# Altium PCB DAB_PCB.PcbDoc (part 1 of 3)
Units mil, origin at the board's own origin, x right, y up, seen from the top; angles counter-clockwise.
Board outline 6665.03 x 2844.03 mil, 4 copper layers (Top Layer, GND1, POWER1, Bottom Layer), stack 30.634 mil thick; 251 components, 123 nets, 1376 pads, 1039 vias.
Unrouted connection lines stored in the file: 2.
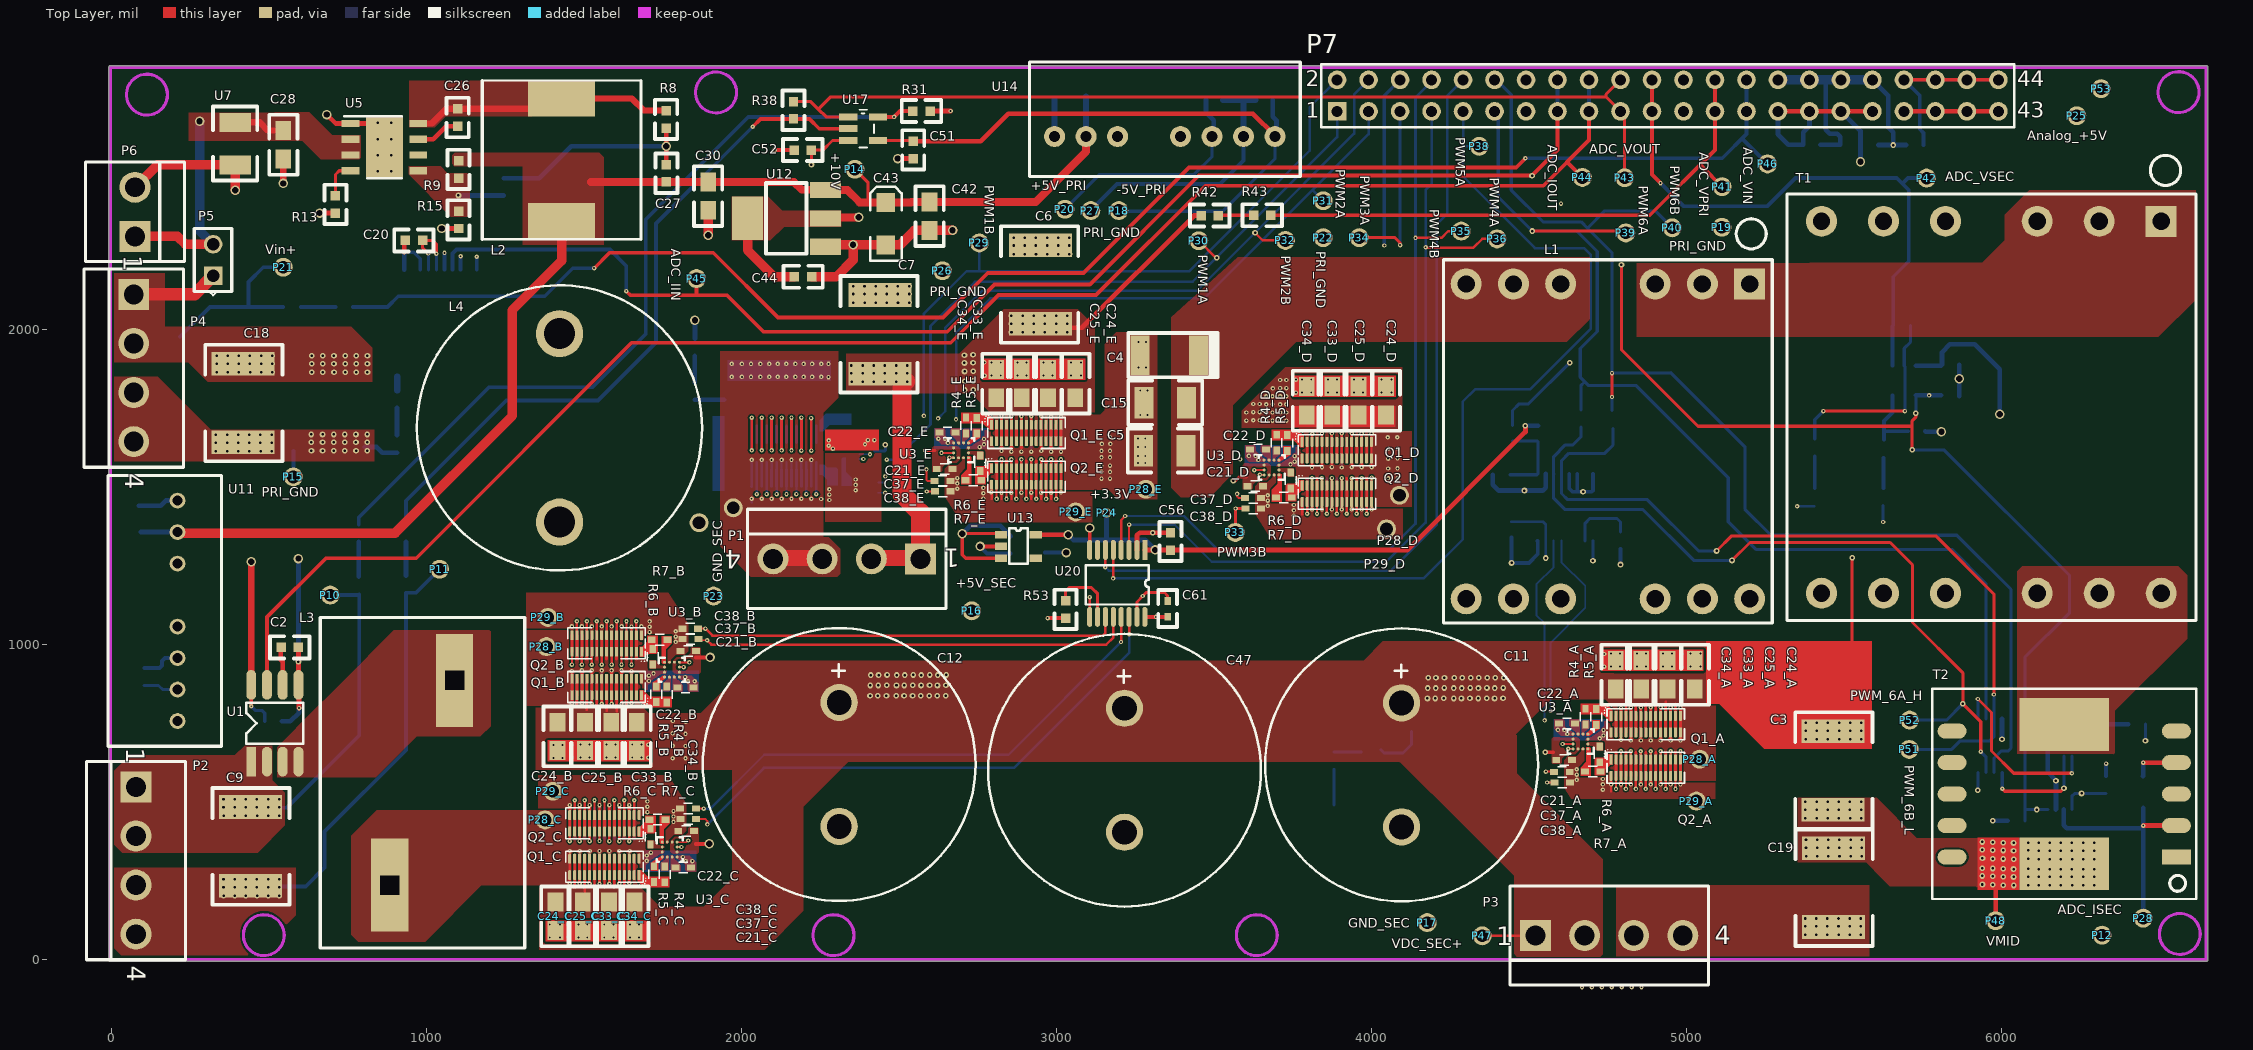
[diagram p0: Top Layer view]
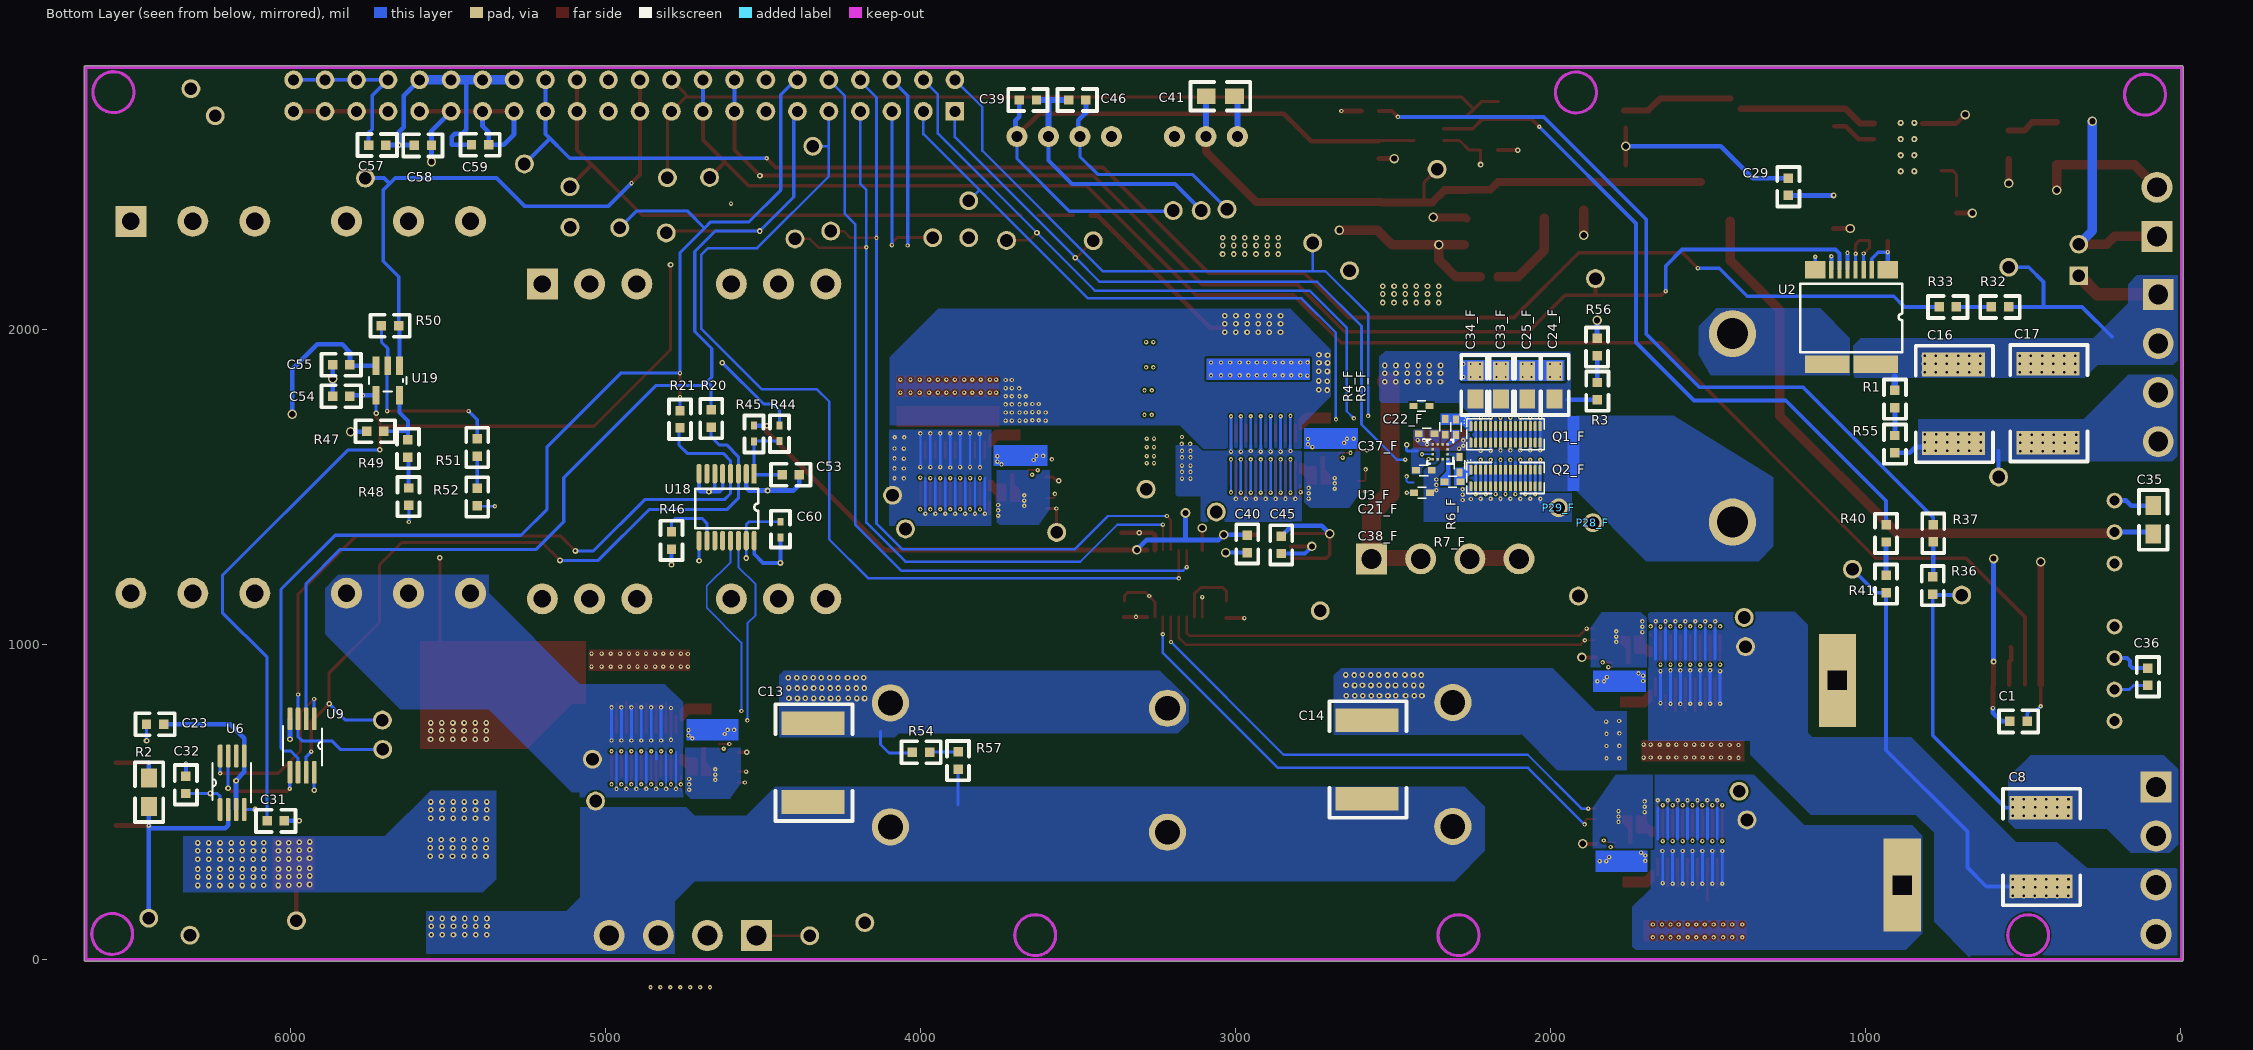
[diagram p1: Bottom Layer view, seen from below]
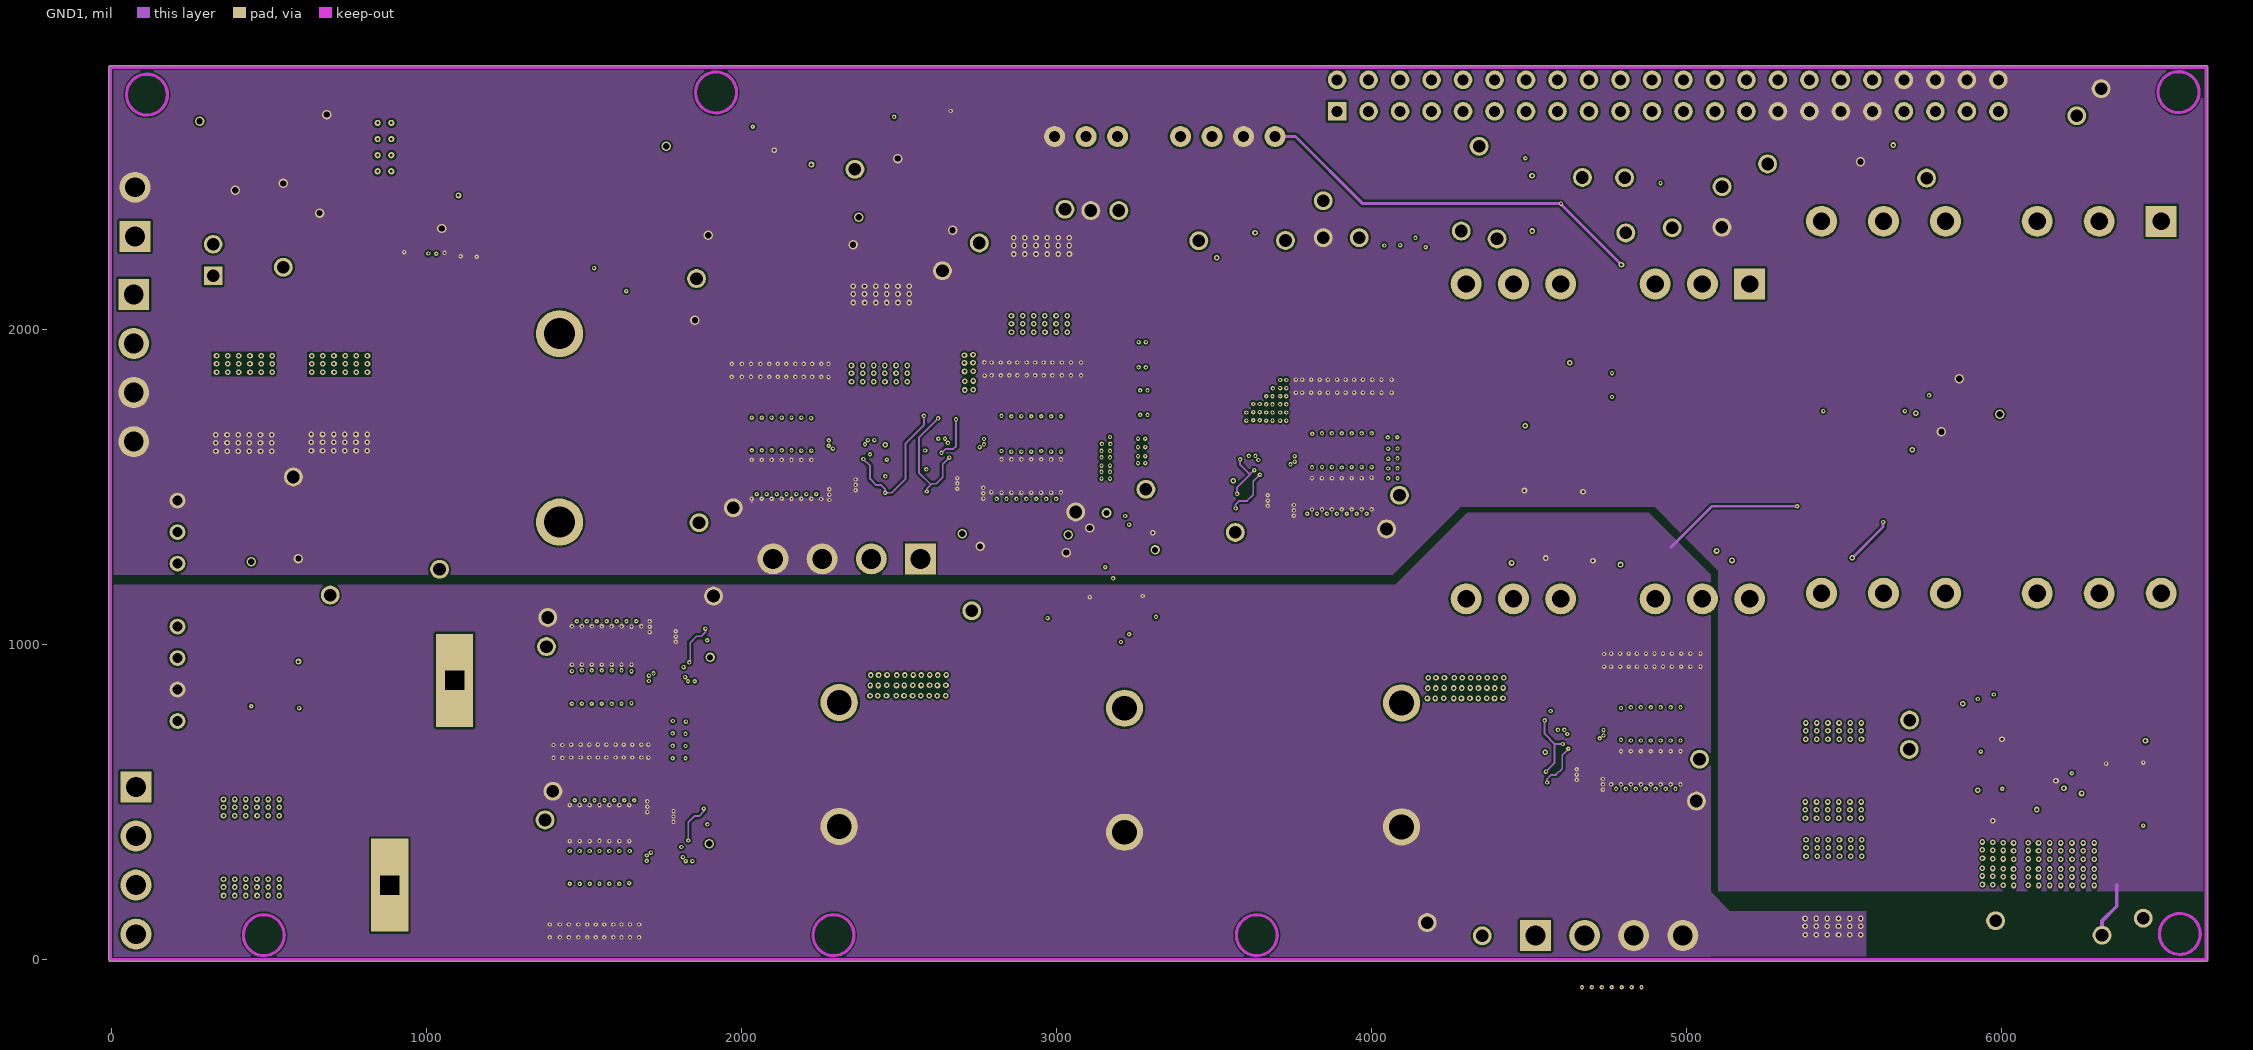
[diagram p2: GND1]
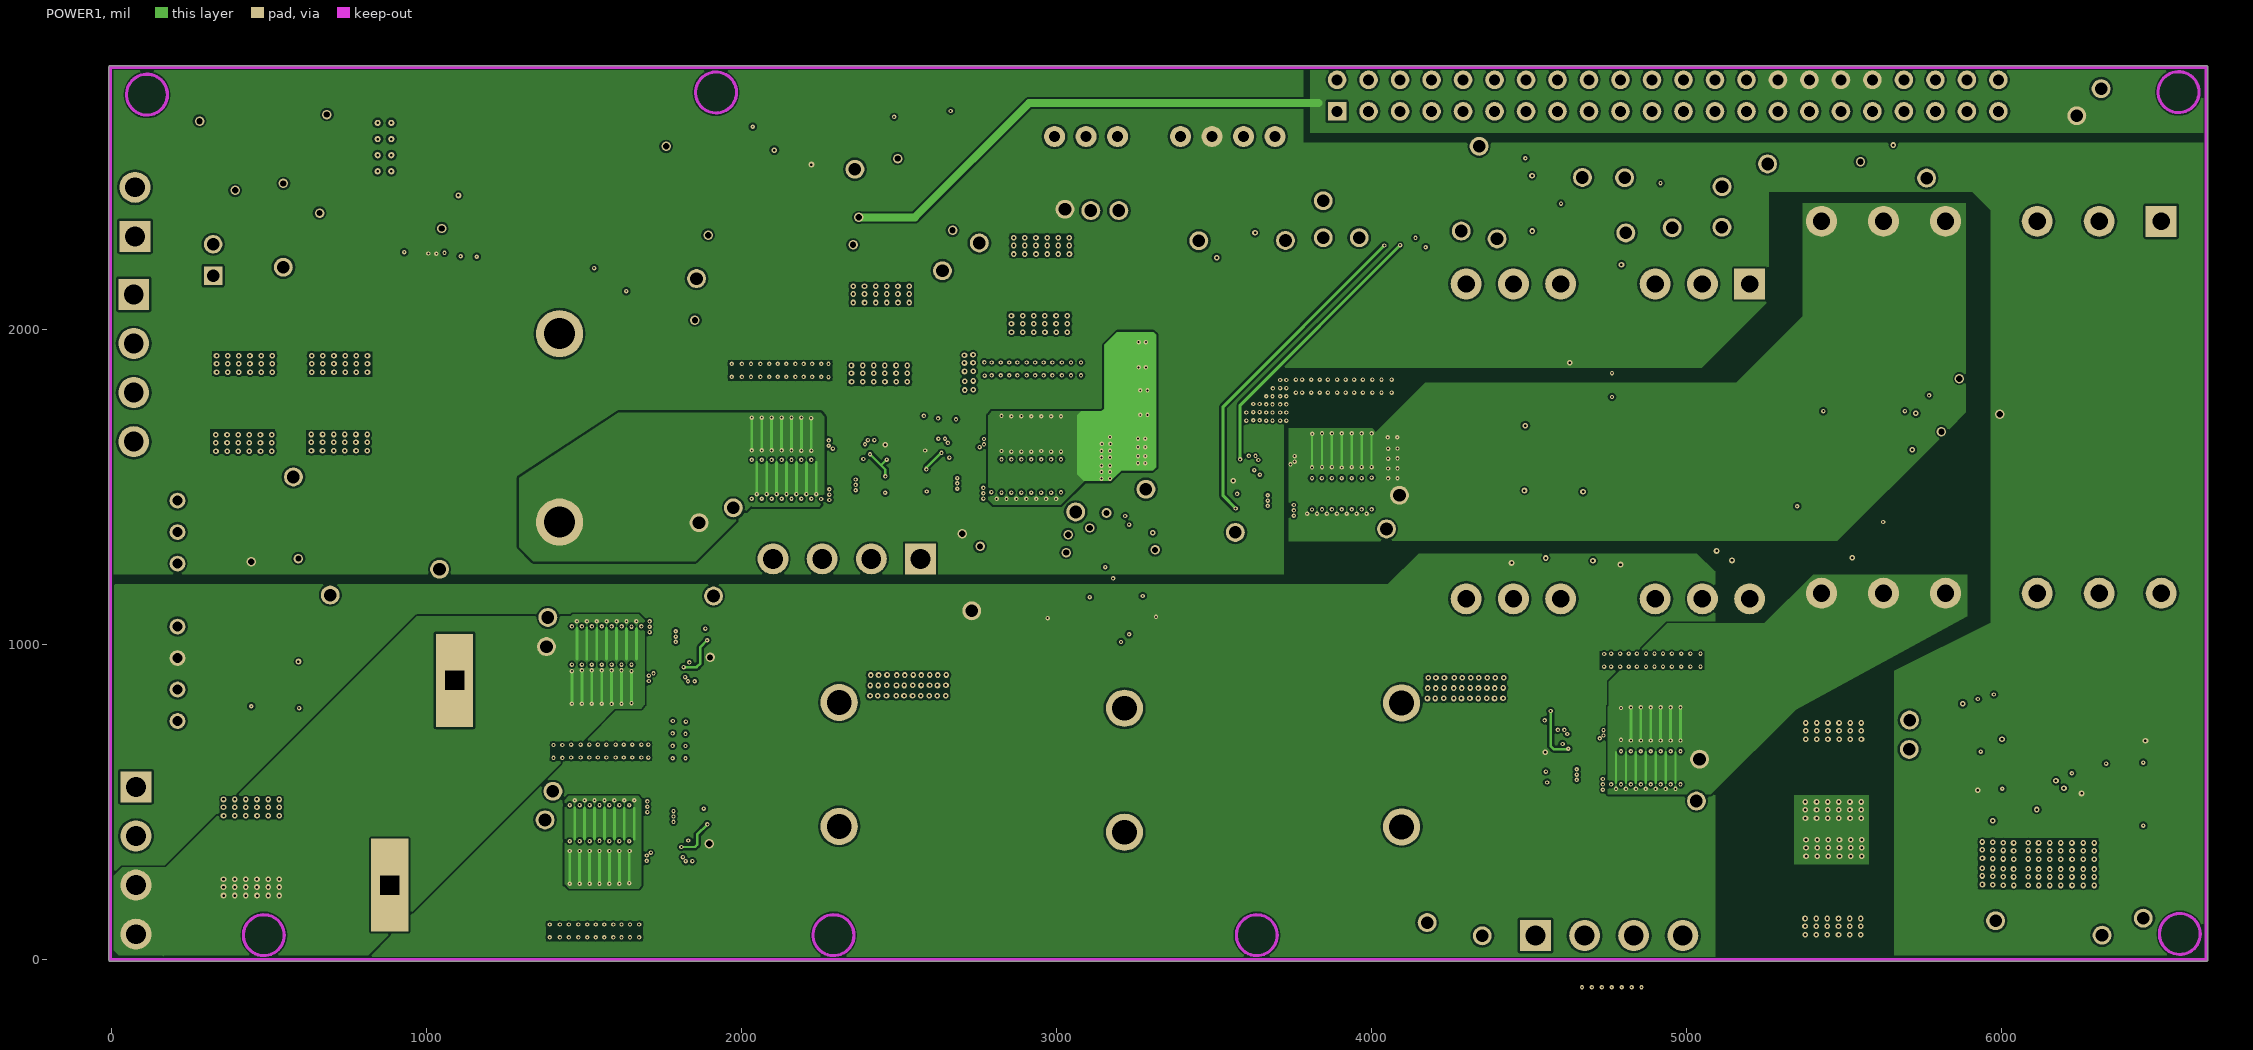
[diagram p3: POWER1]
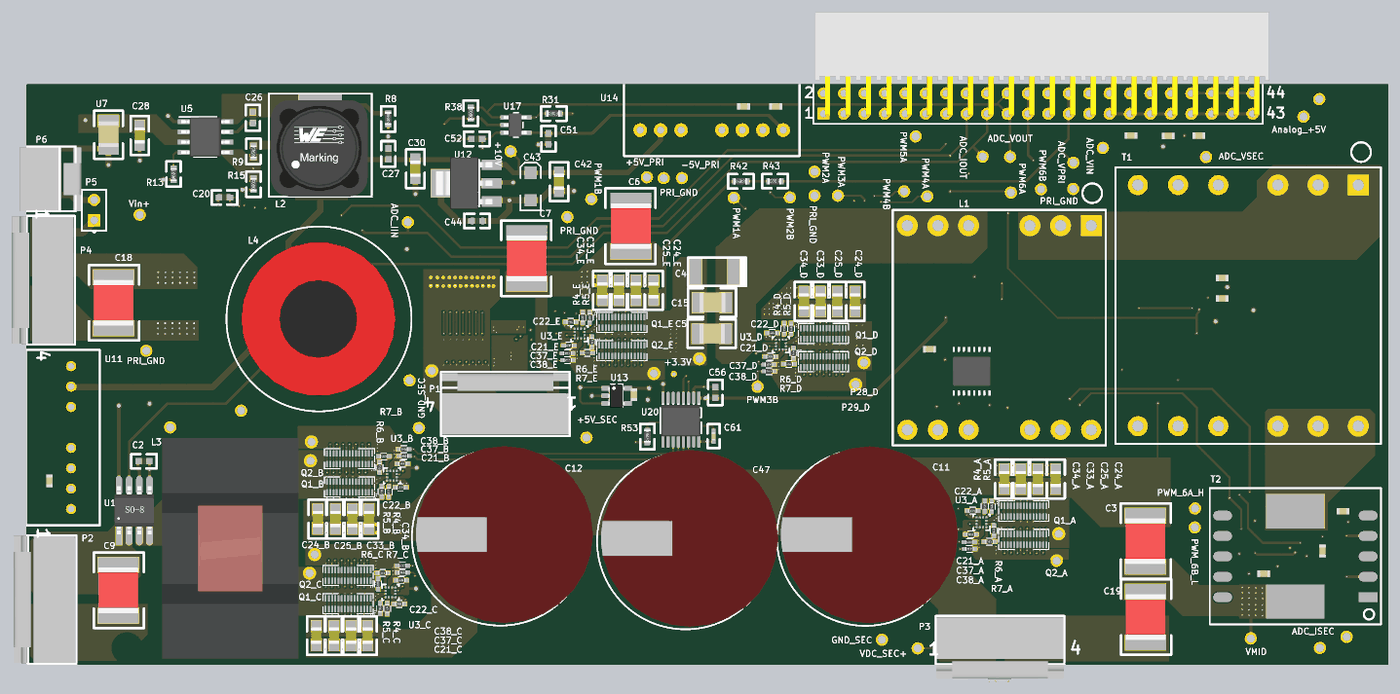
[diagram p6: 3D render of the assembled board from above, using the file's embedded part models]
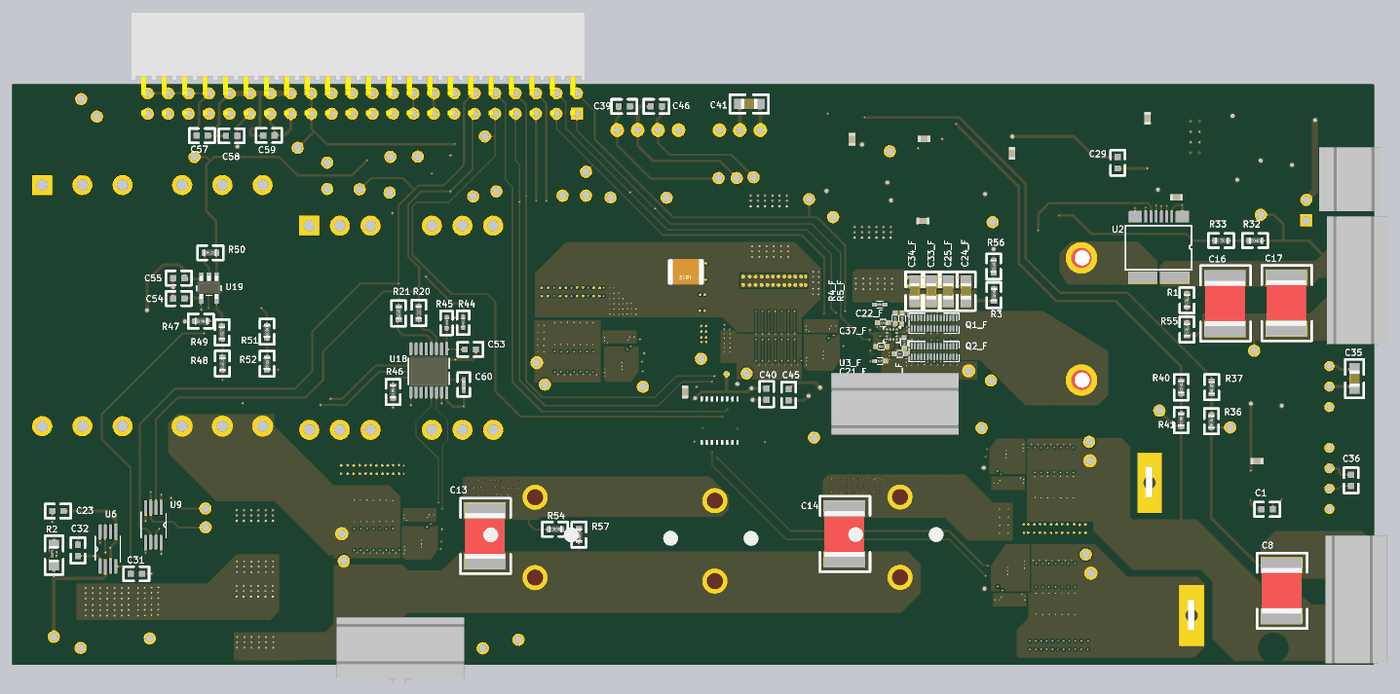
[diagram p7: 3D render of the assembled board from below, using the file's embedded part models]

## Layer stack, top to bottom
Top Solder: solder mask 0.4, Solder Resist, Dk 3.5
Top Layer: signal copper 1.4
Dielectric 1: core 10, FR-4, Dk 4.2
GND1: signal copper 1.417
Dielectric 4: prepreg 5, Dk 4.2
POWER1: signal copper 1.417
Dielectric 5: core 10, Dk 4.2
Bottom Layer: signal copper 1.4
Bottom Solder: solder mask 0.4, Solder Resist, Dk 3.5

## Board outline
-9.01,0 -9.01,2834 cw(c-4,2834) -4,2839.02 6651,2839.02 cw(c6651,2834) 6656.02,2834 6656.02,0 cw(c6651,0) 6651,-5.02 0,-5.02 cw(c0,0) -2,-4.6 cw(c-4,0)

## Design rules (kind name [scope] priority, off if disabled: settings)
Clearance [OnLayer('Keep-Out Layer')] p1: gap=5 ignorepadtopadclearanceinfootprint=FALSE
Clearance Clearance_6 [OnLayer('POWER1')] p2: gap=7 ignorepadtopadclearanceinfootprint=FALSE except(0: Arc-Hole Track-Hole SMDPad-Hole THPad-Hole Via-Hole Fill-Hole Poly-Hole Region-Hole Text-Hole; 5: Arc-Via Track-Via; 6: Via-Fill Via-Poly Via-Region)
Clearance Clearance_2 [OnLayer('GND1')] p3: gap=6.5 ignorepadtopadclearanceinfootprint=FALSE except(0: Arc-Hole Track-Hole SMDPad-Hole THPad-Hole Via-Hole Fill-Hole Poly-Hole Region-Hole Text-Hole; 5.2: Via-Fill Via-Poly Via-Region)
Clearance Clearance_4 [All] p4: gap=6 ignorepadtopadclearanceinfootprint=FALSE except(4.9: Arc-Via Track-Via Via-Fill Via-Poly Via-Region; 6.5: Via-Via)
Height [All] p1: minheight=0 maxheight=2000 prefheight=500
HoleSize [All] p1: absolutevalues=TRUE maxlimit=200 minlimit=1 maxpercent=80.000 minpercent=20.000
HoleToHoleClearance [All] p1: gap=7 allowstackedmicrovias=TRUE
MinimumAnnularRing [All] p1: minimumring=4
MinimumSolderMaskSliver [All] p1: minsoldermaskwidth=2.5
PlaneConnect [All] p1: planeconnectstyle=Direct reliefexpansion=20 reliefentries=4 reliefconductorwidth=10 reliefairgap=10
PolygonConnect PolygonConnect_2 [All vs IsNamedPolygon('NETC16_2_L01_P000')] p1: thpad.connectstyle=Direct thpad.reliefconductorwidth=10 thpad.reliefentries=4 thpad.polygonreliefangle="90 Angle" thpad.airgapwidth=10 smdpad.connectstyle=Direct smdpad.reliefconductorwidth=10 smdpad.reliefentries=4 smdpad.polygonreliefangle="90 Angle" smdpad.airgapwidth=10 via.connectstyle=Relief via.reliefconductorwidth=10 via.reliefentries=4 via.polygonreliefangle="90 Angle" via.airgapwidth=10
PolygonConnect PolygonConnect_1 [All vs IsNamedPolygon('NETC16_2_L01_P000')] p2: thpad.connectstyle=Direct thpad.reliefconductorwidth=10 thpad.reliefentries=4 thpad.polygonreliefangle="90 Angle" thpad.airgapwidth=10 smdpad.connectstyle=Direct smdpad.reliefconductorwidth=10 smdpad.reliefentries=4 smdpad.polygonreliefangle="90 Angle" smdpad.airgapwidth=10 via.connectstyle=Relief via.reliefconductorwidth=10 via.reliefentries=4 via.polygonreliefangle="90 Angle" via.airgapwidth=10
PolygonConnect [All] p3: connectstyle=Direct reliefconductorwidth=10 reliefentries=4 polygonreliefangle="90 Angle" airgapwidth=10
RoutingVias [All] p1: holewidth=20 width=30 viastyle="Through Hole" minholewidth=8 minwidth=10 maxholewidth=40 maxwidth=60
SolderMaskExpansion [All] p1: expansion=2
Width [All] p1: maxlimit=196.85 minlimit=6 preferedwidth=20 toplayer_prefwidth=7.5 midlayer1_maxwidth=100 midlayer2_minwidth=7 midlayer2_maxwidth=100 bottomlayer_prefwidth=10 minimp=50.000000 maximp=50.000000 favimp=50.000000
25 further rules are at their usual default settings.

## Classes and differential pairs
component class U_half_bridgeF: C21_F C22_F C24_F C25_F C33_F C34_F C37_F C38_F P28_F P29_F Q1_F Q2_F R4_F R5_F R6_F R7_F U3_F
component class DAB: C1 C2 C3 C4 C5 C6 C7 C8 C9 C11 C12 C13 C14 C15 C16 C17 C18 C19 C20 C23 C26 C27 C28 C29 C30 C31 C32 C35 C36 C39 C40 C41 C42 C43 C44 C45 C46 C47 C51 C52 C53 C54 C55 C56 C57 C58 C59 C60 C61 L1 L2 L3 L4 P1 P2 P3 P4 P5 P6 P7 P10 P11 P12 P14 P15 P16 P17 P18 P19 P20 P21 P22 P23 P24 P25 P26 P27 R1 R2 R3 R8 R9 R13 R15 R20 R21 R31 R32 R33 R36 R37 R38 R40 R41 R42 R43 R44 R45 R46 R47 R48 R49 R50 R51 R52 R53 R54 R55 R56 R57 T1 T2 U1 U2 U5 U6 U7 U9 U11 U12 U13 U14 U17 U18 U19 U20
channel class half_bridge: U_half_bridgeA U_half_bridgeB U_half_bridgeC U_half_bridgeD U_half_bridgeE U_half_bridgeF
component class U_half_bridgeE: C21_E C22_E C24_E C25_E C33_E C34_E C37_E C38_E P28_E P29_E Q1_E Q2_E R4_E R5_E R6_E R7_E U3_E
component class U_half_bridgeD: C21_D C22_D C24_D C25_D C33_D C34_D C37_D C38_D P28_D P29_D Q1_D Q2_D R4_D R5_D R6_D R7_D U3_D
component class U_half_bridgeC: C21_C C22_C C24_C C25_C C33_C C34_C C37_C C38_C P28_C P29_C Q1_C Q2_C R4_C R5_C R6_C R7_C U3_C
component class U_half_bridgeB: C21_B C22_B C24_B C25_B C33_B C34_B C37_B C38_B P28_B P29_B Q1_B Q2_B R4_B R5_B R6_B R7_B U3_B
component class U_half_bridgeA: C21_A C22_A C24_A C25_A C33_A C34_A C37_A C38_A P28_A P29_A Q1_A Q2_A R4_A R5_A R6_A R7_A U3_A

## Components (designator, comment, footprint, x,y, rotation, side; value= is the part's Value field where it differs from the comment)
C1 "1uF/16V/20%/0603/X7R" C0603 541,757 r180 bottom
C2 "1nF/50V/10%/X7R" C0603 538,992 r0 top
C3 "10uF/100V/2220/5A/10%" C2220 5466,476 r90 top
C4 "100nF/250V/4A/1812/30PPM/5%" C1812 3358,1920 r0 top
C5 "47nF/5%/250V/5.1Aac/30PPM/1210" C1210 3276,1617 r0 top
C6 "22uF/100V/6.2A/2220/X7S/20%" C2220 2949,2269 r270 top
C7 "22uF/100V/6.2A/2220/X7S/20%" C2220 2439,2111 r270 top
C8 "2.2uF/250V/4A/2220/X7T/10%" C2220 443,233 r90 bottom
C9 "2.2uF/250V/4A/2220/X7T/10%" C2220 440,235 r90 top
C11 "2.2mF/100V/22mm" VSN_P22 4096,815.7 r270 top
C12 "2.2mF/100V/22mm" VSN_P22 2310,817 r270 top
C13 "10uF/100V/2220/5A/10%" C2220 4341,501 r90 bottom
C14 "10uF/100V/2220/5A/10%" C2220 2582,511 r90 bottom
C15 "47nF/5%/250V/5.1Aac/30PPM/1210" C1210 3278,1769 r0 top
C16 "22uF/100V/3.7A/2220/X7S/5%" C2220 720,1640 r90 bottom
C17 "22uF/100V/3.7A/2220/X7S/5%" C2220 420,1642 r90 bottom
C18 "22uF/100V/3.7A/2220/X7S/5%" C2220 417,1643 r90 top
C19 "10uF/100V/2220/5A/10%" C2220 5467,104 r90 top
C20 "1uF/16V/20%/0603/X7R" C0603 932,2284 r0 top
C21_A "1uF/10V/0402/X5R/10%" C0402_FOR_DRIVER 4612,634 r180 top (schematic designator C21)
C21_B "1uF/10V/0402/X5R/10%" C0402_FOR_DRIVER 1830.92,980.25 r0 top (schematic designator C21)
C21_C "1uF/10V/0402/X5R/10%" C0402_FOR_DRIVER 1823.92,409 r0 top (schematic designator C21)
C21_D "1uF/10V/0402/X5R/10%" C0402_FOR_DRIVER 3631,1504 r180 top (schematic designator C21)
C21_E "1uF/10V/0402/X5R/10%" C0402_FOR_DRIVER 2645,1558.5 r180 top (schematic designator C21)
C21_F "1uF/10V/0402/X5R/10%" C0402_FOR_DRIVER 2402,1554 r0 bottom (schematic designator C21)
C22_A "100nF/100V/0402/X5R/10%" C0402_FOR_DRIVER 4621,750 r0 top (schematic designator C22)
C22_B "100nF/100V/0402/X5R/10%" C0402_FOR_DRIVER 1821.92,864.25 r180 top (schematic designator C22)
C22_C "100nF/100V/0402/X5R/10%" C0402_FOR_DRIVER 1814.92,293 r180 top (schematic designator C22)
C22_D "100nF/100V/0402/X5R/10%" C0402_FOR_DRIVER 3640,1620 r0 top (schematic designator C22)
C22_E "100nF/100V/0402/X5R/10%" C0402_FOR_DRIVER 2654,1674.5 r0 top (schematic designator C22)
C22_F "100nF/100V/0402/X5R/10%" C0402_FOR_DRIVER 2393,1670 r180 bottom (schematic designator C22)
C23 "1uF/16V/20%/0603/X7R" C0603 6458,748 r180 bottom
C24_A "1uF/100V/20%/0805/X7S" C0805 5027,950 r270 top (schematic designator C24)
C24_B "1uF/100V/20%/0805/X7S" C0805 1415.92,664.25 r90 top (schematic designator C24)
C24_C "1uF/100V/20%/0805/X7S" C0805 1408.92,93 r90 top (schematic designator C24)
C24_D "1uF/100V/20%/0805/X7S" C0805 4046,1820 r270 top (schematic designator C24)
C24_E "1uF/100V/20%/0805/X7S" C0805 3060,1874.5 r270 top (schematic designator C24)
C24_F "1uF/100V/20%/0805/X7S" C0805 1987,1870 r270 bottom (schematic designator C24)
C25_A "1uF/100V/20%/0805/X7S" C0805 4940,950 r270 top (schematic designator C25)
C25_B "1uF/100V/20%/0805/X7S" C0805 1502.92,664.25 r90 top (schematic designator C25)
C25_C "1uF/100V/20%/0805/X7S" C0805 1495.92,93 r90 top (schematic designator C25)
C25_D "1uF/100V/20%/0805/X7S" C0805 3959,1820 r270 top (schematic designator C25)
C25_E "1uF/100V/20%/0805/X7S" C0805 2973,1874.5 r270 top (schematic designator C25)
C25_F "1uF/100V/20%/0805/X7S" C0805 2074,1870 r270 bottom (schematic designator C25)
C26 "2.2nF/100V/0603/X7R/10%" C0603 1098.48,2647 r90 top
C27 "2.2nF/100V/0603/X7R/10%" C0603 1761.48,2525 r270 top
C28 "0.47uF/100V/10%/0805/X7R" C0805 545,2543 r90 top
C29 "47pF/100V/0603/C0G/5%" C0603 1244.48,2482 r270 bottom
C30 "22uF/16V/20%/0805/X5R" C0805 1894,2380 r90 top
C31 "1uF/16V/20%/0603/X7R" C0603 6020,441 r0 bottom
C32 "1uF/16V/20%/0603/X7R" C0603 6333,528 r90 bottom
C33_A "1uF/100V/20%/0805/X7S" C0805 4857,950 r270 top (schematic designator C33)
C33_B "1uF/100V/20%/0805/X7S" C0805 1585.92,664.25 r90 top (schematic designator C33)
C33_C "1uF/100V/20%/0805/X7S" C0805 1578.92,93 r90 top (schematic designator C33)
C33_D "1uF/100V/20%/0805/X7S" C0805 3876,1820 r270 top (schematic designator C33)
C33_E "1uF/100V/20%/0805/X7S" C0805 2890,1874.5 r270 top (schematic designator C33)
C33_F "1uF/100V/20%/0805/X7S" C0805 2157,1870 r270 bottom (schematic designator C33)
C34_A "1uF/100V/20%/0805/X7S" C0805 4776,950 r270 top (schematic designator C34)
C34_B "1uF/100V/20%/0805/X7S" C0805 1666.92,664.25 r90 top (schematic designator C34)
C34_C "1uF/100V/20%/0805/X7S" C0805 1659.92,93 r90 top (schematic designator C34)
C34_D "1uF/100V/20%/0805/X7S" C0805 3795,1820 r270 top (schematic designator C34)
C34_E "1uF/100V/20%/0805/X7S" C0805 2809,1874.5 r270 top (schematic designator C34)